# Allegro board Single PMT Data AcquisitionV_3P3.brd (continued)
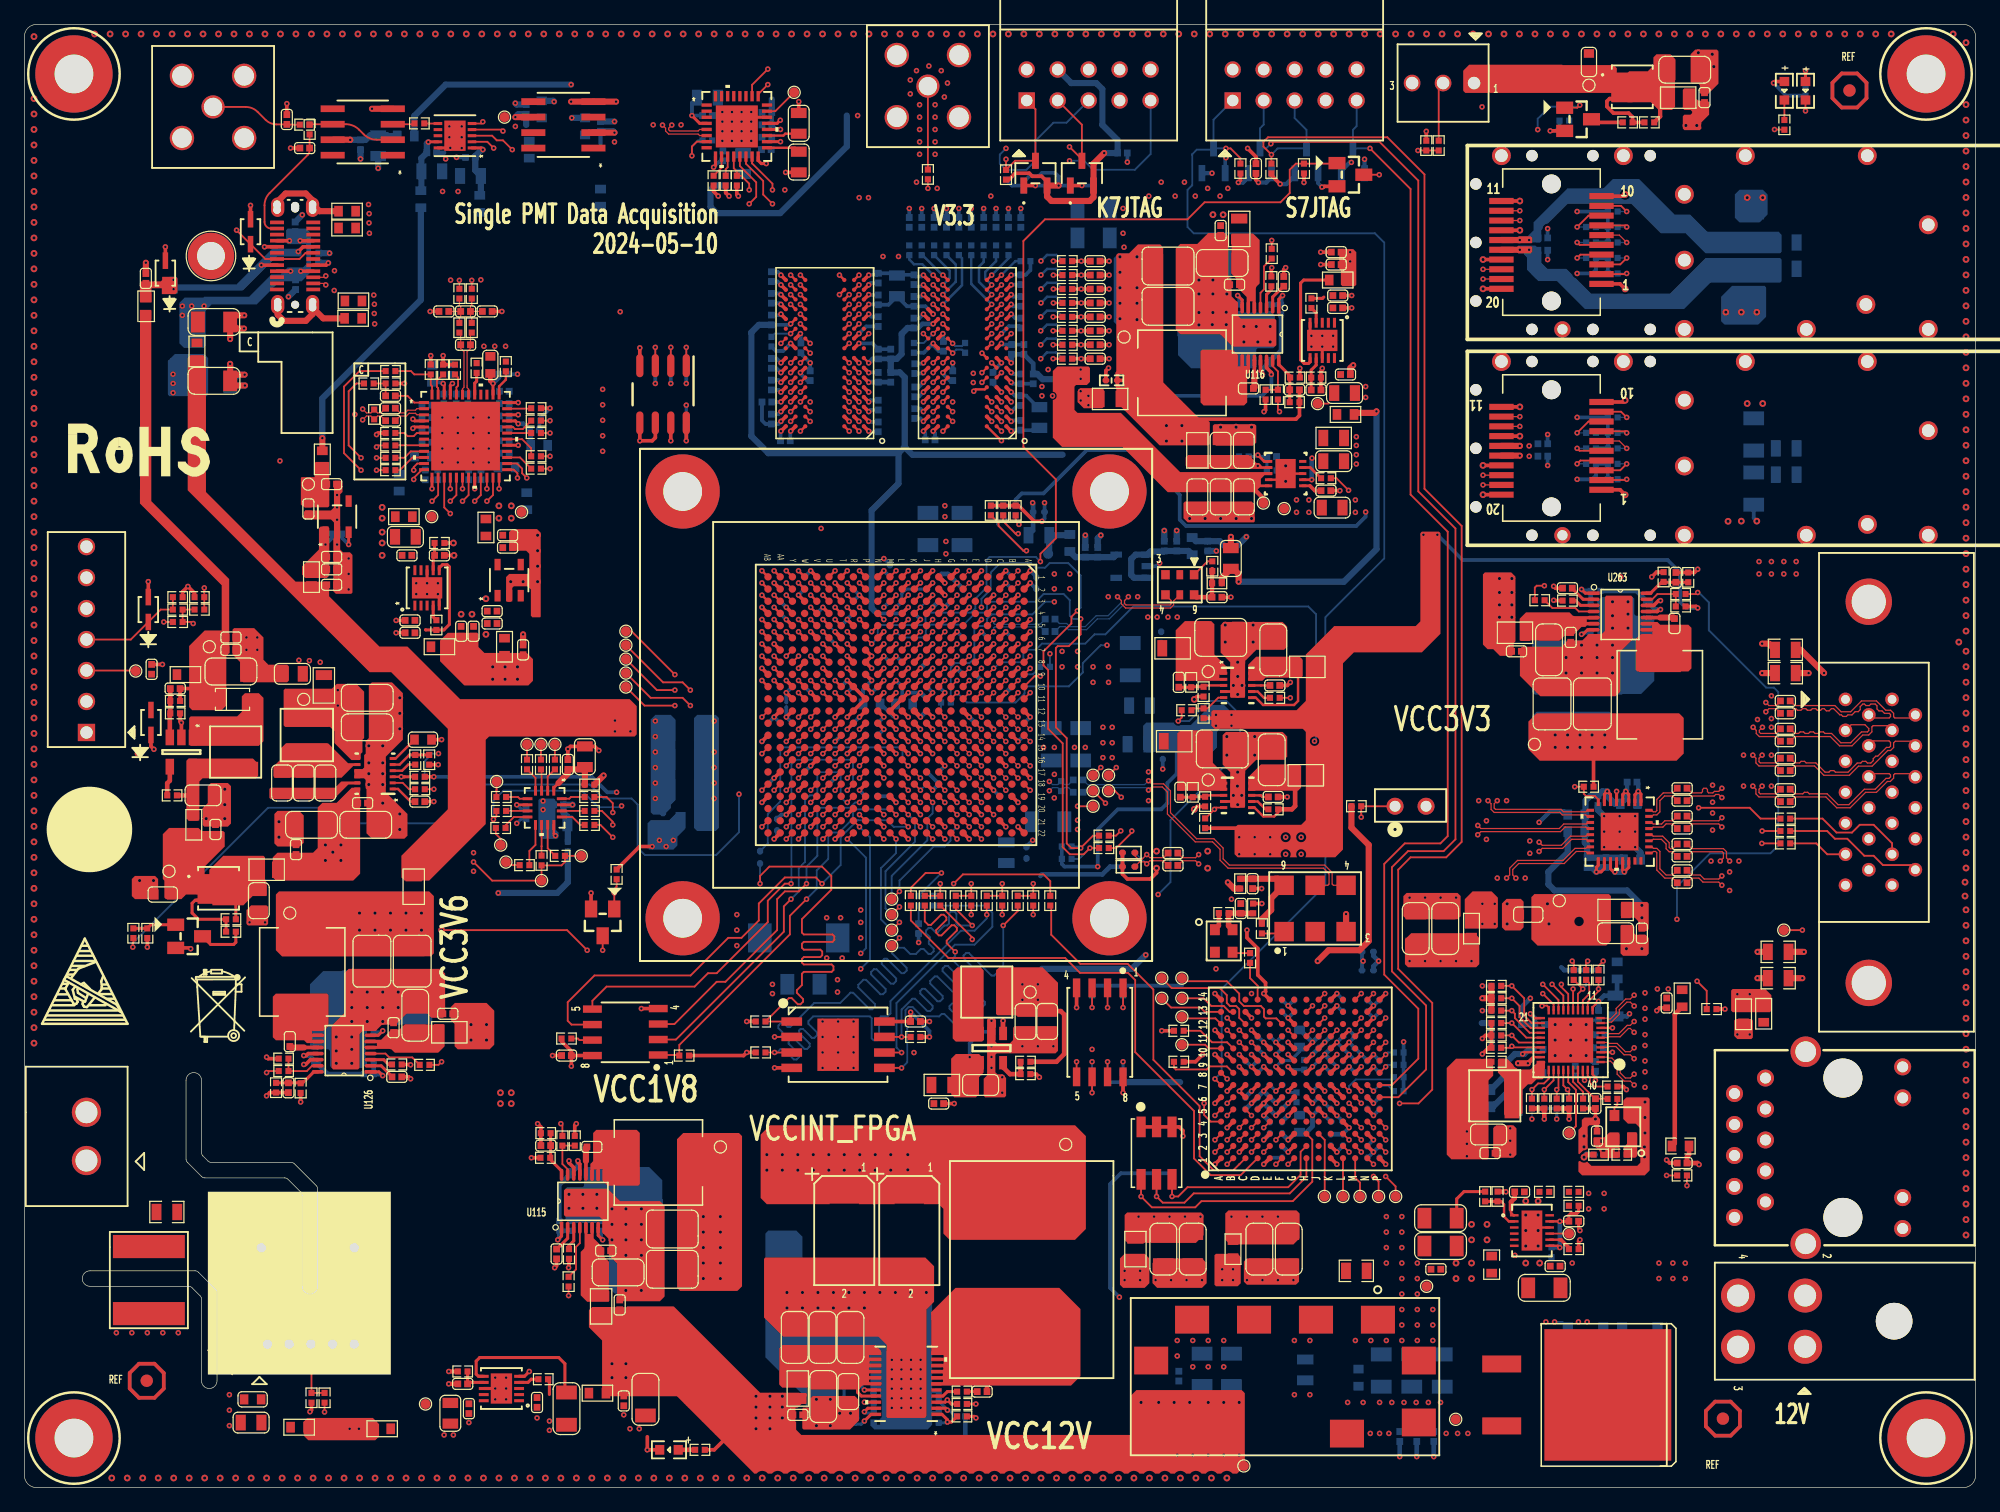
[diagram p0: board, top side]
## Routing (per net, layer and track width the routed paths; a pad name or vN(x,y) marks a point on that pad's centre or on a via; arc(x,y) is an arc through that point) (continued)
  TOP w0.356: R1198.1 134.13,112.45 134.13,113.23
N22238566: length 8.1
  TOP w0.254: 32.89,70.36 32.91,70.34 R2138.2 34.4,70.34 34.85,70.79 34.85,75.51 34.67,75.69 34.29,75.69 34.02,75.42 U129.6
N22244788: length 4.4
  TOP w0.152: 32.41,34.67 31.8,35.28 29.92,35.28 29.6,35.59 U126.4
N22244889: length 2.1
  TOP w0.254: C1272.1 30.14,33.71 29.26,34.59 U126.2
N22244891: length 6.8
  TOP w0.305: v1(22.91,35.43) 23.11,35.43 23.27,35.59 U126.13
  BOTTOM w0.381: R1142.2 24.87,33.91 C1271.1 23.35,35.43 v1(22.91,35.43)
N22244939: length 2.9
  TOP w0.254: v1(29.38,33.78) 29.07,34.09 U126.1
  BOTTOM w0.381: R1143.2 R1142.1 29.26,33.91 v1(29.38,33.78)
N22244971: length 1.9
  TOP w0.254: v1(29.38,37.47) 29.01,37.09 U126.7
  BOTTOM w0.305: v1(29.38,37.47) 29.26,37.34 R1145.2
N22244973: length 2.3
  TOP w0.305: 22.92,36.09 U126.12
  TOP w0.508: 22.92,36.09 21.85,36.09 C1275.2
N22244981: length 44.9
  TOP w0.305: C1276.2 R1146.2 20.12,32.4 v1(19.86,32.13) ; v1(22.91,34.7) 23.06,34.7 23.46,35.09 U126.14
  ART03 w0.254: v1(19.86,32.13) 21.15,33.43 27.89,33.43 32.3,37.85 32.3,42.16 31.29,43.18 v2(31.29,45.72)
  ART03 w0.508: v1(22.91,34.7) 23.57,34.04 27.1,34.04 31.54,38.48 31.54,41.27 30.02,42.8 v2(30.02,45.72)
  vias: v2(27.48,47.12) v2(27.48,45.72) v2(28.75,47.12) v2(28.75,45.72) v2(30.02,47.12) v2(31.29,47.12) v2(32.56,47.12) v2(32.56,45.72)
N22245015: length 3.8
  TOP w0.254: R1146.1 C1276.1 22.62,33.2 R1147.1 22.8,33.17 23.73,34.09 U126.16
N22245055: length 3.6
  TOP w0.152: U126.15 23.59,34.59 23.16,34.16 R1141.2 R1139.2
N22245161: length 1.9
  TOP w0.254: R1144.1 29.86,34.7 29.47,35.09 U126.3
N22251669: length 4.4
  TOP w0.152: 44.62,17.29 45.23,17.9 45.23,19.74 45.55,20.05 U115.4
N22251767: length 6.8
  TOP w0.305: v1(45.39,26.8) 45.42,26.77 45.42,26.65 45.55,26.52 U115.13
  BOTTOM w0.381: v1(45.39,26.8) 45.39,26.35 C1175.1 43.86,24.83 R1061.2
N22251781: length 2.1
  TOP w0.254: C1176.1 43.66,19.56 44.55,20.45 U115.2
N22251829: length 2.9
  TOP w0.254: v1(43.73,20.32) 44.05,20.63 U115.1
  BOTTOM w0.381: v1(43.73,20.32) 43.86,20.45 R1061.1 R1064.2
N22251853: length 2.3
  TOP w0.305: 46.05,26.79 U115.12
  TOP w0.508: 46.05,26.79 46.05,27.86 46.13,27.94
N22251889: length 1.9
  TOP w0.254: v1(47.42,20.32) 47.05,20.69 U115.7
  BOTTOM w0.305: R1066.2 47.29,20.45 v1(47.42,20.32)
N22251891: length 3.8
  TOP w0.254: U115.16 44.05,25.98 43.12,26.91 R1089.1 43.15,27.08 C1180.1 R1057.1
N22252042: length 1.9
  TOP w0.254: U115.3 45.05,20.24 44.65,19.84 R1065.1
N22252096: length 3.6
  TOP w0.152: U115.15 44.55,26.11 44.12,26.54 R1060.2 R1058.2
N22256857: length 4.4
  TOP w0.152: U263.4 127.47,71.85 127.18,72.14 125.29,72.14 R1077.2
N22256931: length 6.8
  TOP w0.305: U263.13 133.89,71.85 134.02,71.98 134.13,71.98 v1(134.16,72.01)
  BOTTOM w0.381: R1079.2 132.2,73.54 C1202.1 133.72,72.01 v1(134.16,72.01)
N22256969: length 2.1
  TOP w0.254: C1203.1 126.93,73.74 127.81,72.85 U263.2
N22257017: length 2.9
  TOP w0.254: U263.1 128,73.35 v1(127.69,73.66)
  BOTTOM w0.381: R1080.2 R1079.1 127.81,73.54 v1(127.69,73.66)
N22257041: length 2.3
  TOP w0.305: 134.15,71.35 U263.12
  TOP w0.508: 134.15,71.35 135.22,71.35 C1206.2
N22257065: length 1.9
  TOP w0.254: U263.7 128.18,70.35 127.81,69.98 v1(127.69,69.98)
  BOTTOM w0.305: R1084.2 127.81,70.11 v1(127.69,69.98)
N22257067: length 3.8
  TOP w0.254: 135.42,74.25 134.45,74.25 R1086.1 134.27,74.28 133.34,73.35 U263.16 ; 135.42,74.25 C1207.1 135.42,74.25 ; 135.42,74.25 136.43,74.25 R1085.1
N22257227: length 1.9
  TOP w0.254: U263.3 127.6,72.35 127.21,72.74 R1083.1
N22257272: length 3.6
  TOP w0.152: R1076.2 R1078.2 133.91,73.28 133.48,72.85 U263.15
N22390089: length 5.7
  TOP w0.203: U118.6 100.87,55.77 101.6,55.04 102.48,55.04 102.81,55.37 102.81,55.63
  TOP w0.381: 102.81,55.63 103.93,55.63 104.2,55.9 104.2,57.26
N22390861: length 1.4
  TOP w0.203: C1208.2 101.52,56.64 101.39,56.77 U118.8
N22391236: length 3.6
  TOP w0.203: R1091.1 96.93,56.77 U118.3
  TOP w0.254: R1091.1 95.84,56.66 R1098.1 C1216.1
N22401678: length 3.7
  TOP w0.203: R1114.1 96.8,65.79 U119.3
  TOP w0.254: R1114.1 95.72,65.68 R1113.1 C1234.1
N22401694: length 3.1
  TOP w0.152: R1116.1 95.84,63.9 R1112.2 97.02,63.9 97.9,64.79 U119.5
N22401706: length 7
  TOP w0.203: U119.6 100.97,64.79 101.57,64.19 104.11,64.19 104.44,64.52 104.44,67.22
  TOP w0.254: 104.44,67.22 L101.2
N22401776: length 1.5
  TOP w0.203: U119.8 C1231.2
N22408855: length 1.6
  TOP w0.203: U118.7 101.13,56.27 101.77,55.63 R1101.2
N22415812: length 1.7
  TOP w0.203: U119.7 101.13,65.29 101.65,64.77 R1115.2
N22509269: length 3.4
  BOTTOM w0.305: R1138.1 78.45,37.38 77.52,36.45 v1(77.52,35.31)
N22509356: length 3.1
  TOP w0.381: R1129.2 R1130.1 80.82,33.91 80.25,34.48 U124.5
N22509441: length 2
  TOP w0.381: U124.1 v1(80.25,38.29)
  BOTTOM w0.305: R1138.2 80.2,38.23 v1(80.25,38.29)
N22519847: length 9.9
  TOP w0.102: J75.16 152.77,62.48 151.6,62.48 151.49,62.38 151.49,61.98 151.24,61.72 150.75,61.72 149.86,60.83 148.84,60.83 148.08,61.59 145.18,61.59 C2453.1
N22519853: length 10
  TOP w0.102: C2454.1 145.18,61.85 145.48,61.85 145.61,61.98 145.89,61.98 146.02,61.85 146.3,61.85 146.42,61.98 146.7,61.98 146.83,61.85 147.11,61.85 147.24,61.98 147.52,61.98 147.64,61.85 148.19,61.85 148.95,61.09 149.75,61.09 150.64,61.98 151.13,61.98 151.24,62.09 151.24,62.25 150.93,62.56 149.79,62.56 J75.3
N22519875: length 12.3
  TOP w0.102: C2455.1 145.18,59.18 146.79,59.18 147.55,58.42 149.65,58.42 150.4,59.17 151.51,59.17 152.8,60.45 153.03,60.45 153.28,60.7 153.28,61.07 153.42,61.21 154.68,61.21 155.06,60.83
N22519885: length 12.3
  TOP w0.102: 151.24,60.83 151.65,61.24 152.9,61.24 153.02,61.11 153.02,60.81 152.92,60.71 152.69,60.71 151.98,59.99 151.81,59.99 151.61,59.79 151.61,59.62 151.41,59.42 151.13,59.42 150.99,59.56 150.72,59.56 150.58,59.42 150.29,59.42 149.54,58.67 148.5,58.67 148.38,58.8 148.1,58.8 147.97,58.67 147.66,58.67 146.9,59.44 146.1,59.44 145.97,59.56 145.69,59.56 145.57,59.44 145.18,59.44 C2456.1
N22519963: length 11.8
  TOP w0.102: 155.06,63.37 154.81,63.12 153.38,63.12 153.28,63.22 153.28,63.5 153.03,63.75 152.63,63.75 151.87,64.52 150.64,64.52 149.75,63.63 148.97,63.63 148.46,64.14 145.18,64.14 C2451.1
N22519965: length 12.4
  TOP w0.102: C2452.1 145.18,63.88 145.26,63.88 145.39,63.75 145.67,63.75 145.8,63.88 146.08,63.88 146.2,63.75 146.48,63.75 146.61,63.88 146.89,63.88 147.02,63.75 147.3,63.75 147.42,63.88 147.58,63.88 147.76,63.7 147.99,63.7 148.17,63.88 148.36,63.88 148.87,63.37 148.99,63.37 149.12,63.25 149.4,63.25 149.52,63.37 149.86,63.37 150.12,63.63 150.38,63.63 150.54,63.8 150.54,64.05 150.75,64.26 150.88,64.26 151.01,64.14 151.29,64.14 151.41,64.26 151.76,64.26 151.91,64.11 151.91,63.86 152.07,63.7 152.33,63.7 152.53,63.5 152.92,63.5 153.02,63.4 153.02,63.23 152.91,63.12 151.49,63.12 151.24,63.37
N22520015: length 12.2
  TOP w0.102: C2457.1 145.18,56.64 147.72,56.64 148.61,55.75 149.71,55.75 150.98,57.02 151.87,57.02 152.76,57.91 153,57.91 153.28,58.19 153.28,58.45 153.38,58.55 154.81,58.55 155.06,58.29
N22520025: length 11.9
  TOP w0.102: 151.24,58.29 151.49,58.55 152.92,58.55 153.02,58.45 153.02,58.29 152.9,58.17 152.65,58.17 151.76,57.28 150.88,57.28 149.61,56.01 148.72,56.01 147.83,56.9 146.36,56.9 146.23,57.02 145.96,57.02 145.83,56.9 145.18,56.9 C2458.1
N22520500: length 4.9
  TOP w0.152: R2125.1 146.94,52.83 147.83,51.94 J75.11
N22520516: length 11.6
  TOP w0.152: J75.25 154.68,51.05 152.4,51.05 151.64,51.82 150.88,51.82 149.48,53.21 148.46,53.21 147.83,53.85 R2126.1
N22520561: length 8.1
  TOP w0.508: R2084.1 v1(145.92,43.94)
  ART08 w0.508: J75.13 147.63,47.7 147.63,45.65 v1(145.92,43.94)
N22520570: length 12.2
  TOP w0.508: R2085.1 v1(145.79,41.78)
  ART08 w0.508: v1(145.79,41.78) 146.43,41.78 152.65,48.01 152.65,48.91 J75.26
N22520917: length 9.6
  TOP w0.508: R2087.1 145.67,68.7 v1(147.57,66.8)
  ART08 w0.508: v1(147.57,66.8) 150.99,66.8 J75.14
N22520923: length 5
  TOP w0.508: R2086.1 v1(146.31,66.8)
  ART08 w0.508: J75.1 148.46,64.64 v1(146.31,66.8)
N22521027: length 10.3
  TOP w0.152: TP138.1 v1(145.8,45.72)
  ART08 w0.102: v1(145.8,45.72) 145.8,47.88 148.59,50.67 J75.12
N22521422: length 5.1
  TOP w0.152: R1918.2 R1919.2 23.54,11.72 U95.3
N22674208: length 5.3
  TOP w0.508: U264.2 v1(48.39,111.12)
  BOTTOM w0.356: 47.24,110.24 C2415.2 46.27,111.23 C2416.1
  BOTTOM w0.508: v1(48.39,111.12) 48.28,111.23 C2415.2
  vias: v1(48.39,110.36)
N22674912: length 3.3
  TOP w0.508: U264.6 v1(40.26,112.39)
  BOTTOM w0.508: v1(40.26,112.39) 40.49,112.63 C2418.2 41.15,111.76
  vias: v1(40.26,111.63)
N22711871: length 4.1
  TOP w0.254: v1(60.83,108.58) 60.42,108.58 60.17,108.84 U267.16 ; U267.9 56.67,108.43 v1(56.52,108.28) ; U267.18 v1(62,110.38)
  BOTTOM w0.254: C2429.2 57.05,108.82 v1(56.52,108.28)
N22738550: length 5.5
  TOP w0.254: Q22.4 14.01,48.17 13.75,47.92 13.75,47.13 14.27,46.61 R2097.2 R2128.1
N22738596: length 1.3
  TOP w0.254: R2097.1 17.34,47.86 17.32,47.88
N22738661: length 3.6
  TOP w0.254: R2098.1 R2099.1 10.38,46.16 Q23.1
N22776081: length 2.7
  TOP w0.203: C2438.1 62.4,111.04 62.24,110.88 U267.19
N22776086: length 2.7
  TOP w0.203: C2439.1 63.18,109.88 U267.17
N22789402: length 2.9
  TOP w0.152: TP141.1 61.57,112.88 U267.23
N22808887: length 5
  TOP w0.254: v1(33.12,110.35) 33.15,110.37 U268.9
  BOTTOM w0.508: L280.2 32.55,106.4 C2442.1 32.55,109.02 33,109.47 33,110.23 v1(33.12,110.35)
N22809050: length 5.2
  TOP w0.254: v1(37.59,109.73) 37.45,109.87 36.7,109.87
  BOTTOM w0.508: L281.2 37.43,106.07 C2448.1 36.98,108.02 C2449.1 36.98,109.22 37.48,109.73 v1(37.59,109.73)
N22809950: length 1.1
  TOP w0.152: U268.6 32.8,111.87 arc(32.79,111.87) R2118.1
N22812518: length 5.5
  TOP w0.508: U269.7 26.71,110.54 v1(26.72,110.53)
  BOTTOM w0.508: v1(26.72,110.53) C2447.1 27.98,110.53 28.35,110.9 C2446.1 29.02,110.91 29.74,110.91 29.81,110.84 L279.1
N22823675: length 1.8
  TOP w0.152: R2118.2 31.92,111.81 U269.3
N22860235: length 90.6
  TOP w0.152: R1918.1 v1(24.61,6.2) ; v1(11.43,70.99) R2119.2
  ART03 w0.102: v1(11.43,70.99) 10.16,69.72 10.16,52.04 17.52,44.68 17.52,31.75 18.64,30.63 33.09,30.63 33.5,30.23 33.5,11.8 27.9,6.2 v1(24.61,6.2)
N22945120: length 4
  TOP w0.254: R2128.2 17.34,44.72 17.16,44.54 15.28,44.54 Q23.3
N22945514: length 2.7
  TOP w0.305: Q21.3 128.76,111.96 R2129.2
N22948810: length 10.6
  TOP w0.152: R2124.1 147.45,54.86 148.59,53.72 149.86,53.72 150.5,54.36 151.64,54.36 153.15,52.84 J75.24
N22959826: length 2
  TOP w0.152: U98.2 42.91,58.31 R2131.2
N22959858: length 2
  TOP w0.152: R2133.2 41.91,58.21 U98.4
N22960011: length 2.3
  TOP w0.152: U98.8 40.14,55 39.46,54.32 R2134.1
N22960013: length 1.6
  TOP w0.152: TP145.1 39.06,53.21 38.66,53.61 38.66,54.1 R2134.2
N22960096: length 2.8
  TOP w0.152: U98.11 42.91,52.43 R2132.1
N22968010: length 23.6
  TOP w0.254: U271.4 131.06,56.84 v1(131.32,57.1) 131.56,56.86 U271.3 ; U271.21 131.06,50.63 v1(131.19,50.5) 131.56,50.86 U271.22 ; U271.19 130.06,50.75 130.31,50.5 v1(130.43,50.5) 130.43,50.62 130.56,50.75 U271.20 ; U271.7 129.56,56.87 v1(129.79,57.1) 129.81,57.1 130.06,56.85 U271.6
  BOTTOM w0.356: v1(131.32,57.1) 131.43,57.21 C2472.2
  BOTTOM w0.508: v1(131.32,57.1) 131.32,56.53 C2467.1 130.43,56.08 129.79,56.72 v1(129.79,57.1) 129.39,57.1 C2469.2 128.42,56.74 128.02,56.34 128.02,55.26 C2471.1 L283.2 127.95,52.9 128.14,52.71 C2473.2 C2470.2 130.98,51.66 C2468.1 131.19,51.45 v1(131.19,50.5) v1(130.43,50.5)
N22968119: length 3.7
  TOP w0.102: U271.32 133.44,55.55 133.56,55.42 133.76,55.42 133.86,55.53 133.86,56.44 134.39,56.97 135.16,56.97 C2459.1
N22968121: length 3.7
  TOP w0.102: C2460.1 135.16,56.72 134.49,56.72 134.11,56.34 134.11,55.42 133.86,55.17 133.58,55.17 133.46,55.05 U271.31
N22968123: length 2.6
  TOP w0.102: C2461.1 135.16,54.69 134.51,54.69 134.25,54.42 133.56,54.42 133.44,54.55 U271.30
N22968125: length 2.6
  TOP w0.102: C2462.1 135.16,54.43 134.62,54.43 134.36,54.17 133.56,54.17 133.44,54.05 U271.29
N22968127: length 3.2
  TOP w0.102: U271.28 133.44,53.55 133.56,53.42 134.34,53.42 134.87,52.89 134.87,52.5 134.98,52.4 135.16,52.4 C2463.1
N22968129: length 3.2
  TOP w0.102: C2464.1 135.16,52.15 134.87,52.15 134.62,52.4 134.62,52.78 134.23,53.17 133.56,53.17 133.44,53.05 U271.27
N22968131: length 4.3
  TOP w0.102: U271.26 133.46,52.55 133.58,52.42 133.86,52.42 134.11,52.17 134.11,50.75 134.62,50.24 135.16,50.24 C2465.1
N22968133: length 4.3
  TOP w0.102: U271.25 133.45,52.05 133.58,52.17 133.76,52.17 133.86,52.07 133.86,50.64 134.51,49.99 135.16,49.99 C2466.1
N22971145: length 1.3
  TOP w0.152: R2131.1 TP142.1
N22971151: length 1.3
  TOP w0.152: R2133.1 TP144.1
N22971182: length 1.3
  TOP w0.152: R933.1 TP30.1
N22971218: length 1.3
  TOP w0.152: TP77.1 38.72,57.22 38.7,57.2 R934.1
N23032570: length 2.3
  TOP w0.254: R2137.1 C2477.1 33.52,76.34 U129.7
N23032940: length 1.3
  TOP w0.254: R2138.1 33.52,71.4 U129.4
N23034655: length 11.1
  TOP w0.254: R1150.2 106.44,97.53 106.55,97.64 ; L122.2 104.9,99.03 104.65,98.78 104.65,92.48 104.94,92.19 105.3,92.19 105.43,92.32 U127.6
N23034774: length 1.4
  TOP w0.254: U127.4 105.93,96.34 R1150.1
N23036008: length 0.9
  TOP w0.152: TP62.1 106.93,88.9
N23036060: length 2.8
  TOP w0.254: U127.7 105.93,92.06 105.52,91.65 R2136.1 C2441.1
N23037879: length 12.9
  TOP w0.254: 44.32,7.93 44.32,10.16 43.81,10.67 37.34,10.67 37.05,10.38 37.05,9.31 37.23,9.13 U133.6 ; R2083.2 42.95,8.76 43.05,8.65 43.05,7.64
N23037995: length 1.7
  TOP w0.254: R2083.1 41.56,8.89 41.3,8.63 U133.4
N23038085: length 2.4
  TOP w0.254: U133.7 36.46,8.63 C1340.1 R2139.1
N23136071: length 1.4
  TOP w0.152: U1.K18 v1(73.48,57.19)
  BOTTOM w0.152: R276.1 73.97,57.68 v1(73.48,57.19)
N23136114: length 11.8
  TOP w0.152: U1.J19 v1(74.48,56.19) ; TP112.1 v1(71.75,47.62)
  BOTTOM w0.152: v1(74.48,56.19) 74.48,55.3 74.04,54.86 74.04,53.09 71.12,50.16 71.12,48.26 v1(71.75,47.62)
N23136470: length 9.4
  TOP w0.152: TP113.1 v1(71.75,48.9) ; U1.G21 v1(76.48,54.19)
  BOTTOM w0.152: v1(76.48,54.19) 75.95,53.66 75.95,53.07 75.46,52.58 74.55,52.58 71.75,49.78 v1(71.75,48.9)
N23136579: length 10.9
  TOP w0.152: TP15.1 v1(71.75,45.09) ; U1.M22 v1(71.48,53.19)
  BOTTOM w0.152: v1(71.75,45.09) 70.23,46.61 70.23,50.8 71.48,52.05 v1(71.48,53.19)
N23142000: length 1.4
  TOP w0.381: U1.H2 v1(75.48,73.19)
  BOTTOM w0.381: R165.1 75.47,73.19 v1(75.48,73.19)
N23143795: length 14.3
  TOP w0.152: U1.AB12 v1(60.48,63.19) ; v1(54.61,65.41) 53.98,66.04 52.37,66.04 TP116.1
  ART08 w0.102: v1(60.48,63.19) 57.46,63.19 55.24,65.41 v1(54.61,65.41)
N23143798: length 19.5
  TOP w0.152: v1(53.34,66.67) 49.78,70.23 TP133.1 ; U1.V13 v1(64.48,62.19)
  ART08 w0.102: v1(64.48,62.19) 63.93,62.74 61.19,62.74 60.96,62.97 60.96,63.5 60.86,63.6 58.32,63.6 55.24,66.67 v1(53.34,66.67)
N23143801: length 24
  TOP w0.152: U1.V12 v1(64.48,63.19) ; TP134.1 50.85,64.14 v1(53.34,64.14)
  ART08 w0.102: v1(64.48,63.19) 65.71,63.19 66.17,62.74 66.55,62.74 66.93,62.36 66.93,61.98 66.75,61.8 66.01,61.8 65.81,61.59 65.23,61.59 64.72,61.09 64.11,61.09 63.8,60.78 59.77,60.78 59.59,60.96 56.52,60.96 v1(53.34,64.14)
N23143804: length 21.1
  TOP w0.152: U1.T13 v1(66.48,62.19) ; v1(53.34,65.41) 51.86,65.41 TP135.1
  ART08 w0.102: v1(53.34,65.41) 53.98,64.77 55.24,64.77 57.82,62.19 60.69,62.19 61.09,61.8 64.72,61.8 65.02,62.1 65.02,62.48 65.15,62.61 65.66,62.61 66.08,62.19 v1(66.48,62.19)
N23143807: length 19.3
  TOP w0.152: TP136.1 51.35,64.77 53.98,64.77 v1(54.61,64.14) ; U1.U13 v1(65.48,62.19)
  ART08 w0.102: v1(54.61,64.14) 57.16,61.59 64.87,61.59 v1(65.48,62.19)
N23169150: length 4.1
  BOTTOM w0.508: L289.1 86.19,76.31 C2489.2 C2488.1 89.32,76.31 U272.5
N23169182: length 8.1
  BOTTOM w0.508: L288.2 95.46,76.82 C2487.2 C2486.1 93.42,76.77 92.34,76.77 U272.1 91.12,76.52 90.76,76.16 90.76,74.85 90.99,74.61 U272.3
N23169457: length 21.7
  TOP w0.381: U1.J4 v1(74.48,72.19)
  ART06 w0.254: v1(82.68,80.77) 82.22,81.23 75.26,81.23 73.99,79.96 73.99,72.68 v1(74.48,72.19)
  BOTTOM w0.381: L287.1 82.71,78.48 C2483.1 82.71,80.65 82.68,80.68 v1(82.68,80.77) ; v1(74.48,72.19) 74.98,72.69 C2482.1
N23170636: length 4
  TOP w0.356: R2121.2 97.41,75.29 97.39,75.31 L282.1 C2450.2
  TOP w0.381: C2450.2 96.11,73.03 U270.6
N23170831: length 1.9
  TOP w0.152: U270.1 97.02,75.97 R2121.1
N23185444: length 12.1
  TOP w0.152: U1.L20 v1(72.48,55.19) ; TP114.1 v1(71.75,46.35)
  BOTTOM w0.152: v1(72.48,55.19) 73.03,54.64 73.03,52.96 70.61,50.55 70.61,47.5 v1(71.75,46.35)
N23196826: length 1.8
  TOP w0.152: U273.7 45.51,36.7 45.38,36.83 R2153.2
N23259637: length 9
  TOP w0.152: U1.B17 v1(81.48,58.19) ; TP102.1 v1(88.27,59.05)
  ART03 w0.102: v1(81.48,58.19) 81.93,58.65 83.36,58.65 84.02,59.31 87.84,59.31 88.1,59.05 v1(88.27,59.05)
N23259653: length 8.9
  TOP w0.152: U1.A18 v1(82.48,57.19) ; TP103.1 v1(88.65,56.13)
  ART03 w0.102: v1(88.65,56.13) 88.65,56.16 88.52,56.29 85.88,56.29 85.75,56.16 83.51,56.16 v1(82.48,57.19)
N23259699: length 7.2
  TOP w0.102: U1.C17 v1(80.48,58.19)
  ART03 w0.102: v1(84.05,57.91) 83.9,57.76 83.57,57.76 83.46,57.66 83.04,57.66 82.9,57.79 80.58,57.79 80.48,57.9 v1(80.48,58.19)
  BOTTOM w0.102: v1(84.05,57.91) 84.3,57.66 84.74,57.66 R2127.1 85.28,57.66 85.63,57.66 C942.2 86.01,58.04
N23259707: length 7.2
  TOP w0.102: U1.C18 v1(80.48,57.19)
  ART03 w0.102: v1(80.48,57.19) 80.48,57.49 80.58,57.59 82.82,57.59 82.96,57.45 83.46,57.45 83.57,57.35 83.85,57.35 v1(84.05,57.15)
  BOTTOM w0.102: 85.01,57.13 R2127.2 85.01,57.13 ; 85.01,57.13 84.74,57.4 84.3,57.4 v1(84.05,57.15) ; 85.01,57.13 85.28,57.4 85.63,57.4 C941.2 86.01,57.02
N23265948: length 12.7
  TOP w0.152: U1.E16 v1(78.48,59.19) ; TP104.1 v1(86.36,55.88)
  ART03 w0.102: v1(78.48,59.19) 78.99,58.67 78.99,58.04 79.32,57.71 79.58,57.71 79.91,57.38 79.91,55.98 80.34,55.55 86.03,55.55 v1(86.36,55.88)
N23265950: length 12.7
  TOP w0.152: U1.D17 v1(79.48,58.19) ; TP105.1 v1(89.53,59.05)
  ART03 w0.102: v1(89.53,59.05) 89.13,59.46 88.09,59.46 87.91,59.64 81.23,59.64 81.03,59.44 81.03,59.05 80.64,58.67 79.96,58.67 v1(79.48,58.19)
N23265952: length 18.5
  TOP w0.152: U1.H17 v1(75.48,58.19) ; TP106.1 89.41,57.15 v1(89.94,56.62)
  ART03 w0.102: v1(75.48,58.19) 76.89,58.19 78.33,56.74 78.59,56.74 80.09,55.24 89.05,55.24 89.94,56.13 v1(89.94,56.62)
N23290431: length 3
  TOP w0.152: U1.B10 v1(81.48,66.19)
  BOTTOM w0.152: v1(81.48,66.19) 81.99,66.7 82.68,66.7 R2116.1
N23290813: length 2
  TOP w0.152: U1.H12 v1(75.48,63.19)
  BOTTOM w0.152: v1(75.48,63.19) 75.17,63.5 R2102.2
N23372269: length 4.2
  TOP w0.305: J2.B9 v1(22.66,99.76) ; J2.A4 v1(21.83,99.76) ; v1(22.61,102.26) J2.B4 ; J2.A9 v1(21.74,102.26)
  vias: v1(12.95,96.9) v1(12.95,96.14) v1(13.72,96.9) v1(14.73,96.9)
N23378896: length 7.6
  TOP w0.152: J71.1 18.15,113.23 arc(18.68,113.12) 19.13,112.82 19.78,112.17 arc(20.19,111.9) 20.67,111.8 C2501.2 21.54,111.78 R2167.2
N23394365: length 8.3
  TOP w0.508: J2.S_4_H2 23.63,96.24 23.08,95.69 21.28,95.69 20.77,96.2 J2.S_2_H2 J2.25 J2.S_2_H1 ; J2.S_4_H2 J2.27 J2.S_4_H1 ; J2.S_4_H2 24.51,95.89 L294.2
N23407808: length 7.3
  TOP w0.508: J2.S_5_H2 J2.28 J2.S_5_H1 ; J2.S_5_H1 24.2,104.68 L295.2 ; J2.S_5_H1 23.63,105.57 23.07,106.13 21.42,106.13 20.77,105.48 20.77,105.2 ; J2.S_3_H2 20.77,104.82 J2.26 20.77,105.2 ; 20.77,105.2 J2.S_3_H1
N23432508: length 10
  TOP w0.152: J2.A11 20.24,103.26 arc(19.85,103.42) 19.69,103.8 19.69,105.16 arc(19.8,105.71) 20.11,106.17 23.23,109.29 arc(23.35,109.47) 23.39,109.68 23.39,109.85 23.39,109.86 23.39,109.86 R2168.2
N23434143: length 4.1
  TOP w0.152: TP87.1 9.09,67.01 J60.3

## Copper pours and planes (outline as drawn; the poured copper is in the pictures)
GND on TOP (solid shape): 10.97,49.91 10.97,48.26 9.06,48.26 8.81,48.51 8.81,49.91 9.06,50.16 10.71,50.16
GND on TOP (solid shape): 19.99,47.62 19.99,46.23 19.86,46.1 18.34,46.1 18.21,46.23 18.21,47.37 18.59,47.75 19.86,47.75
GND on TOP (solid shape): 22.91,55.12 22.91,52.88 22.6,52.58 20.75,52.58 20.49,52.83 20.49,55.24 20.75,55.5 22.53,55.5
GND on TOP (solid shape): 96.95,18.41 96.95,16.76 96.57,16.38 92.88,16.38 92.5,16.76 92.5,18.41 92.88,18.8 96.57,18.8
GND on TOP (solid shape): 101.01,87.1 101.01,85.7 100.76,85.45 97.71,85.45 97.46,85.7 97.46,87.1 97.57,87.21 100.9,87.21
GND on TOP (solid shape): 104.52,18.67 104.52,16.89 104.27,16.64 100.25,16.64 100,16.89 100,18.54 100.25,18.8 104.39,18.8
GND on TOP (solid shape): 117.78,48.51 117.78,46.86 117.52,46.61 113.33,46.61 113.08,46.86 113.08,48.51 113.33,48.77 117.52,48.77
GND on TOP (solid shape): 122.35,29.46 122.35,27.3 122.09,27.05 120.57,27.05 120.44,27.18 120.44,29.46 120.7,29.72 122.09,29.72
GND on TOP (solid shape): 122.94,48.06 122.94,45.95 122.68,45.69 121.41,45.69 121.16,45.95 121.16,47.9 121.54,48.29 122.71,48.29
GND on TOP (solid shape): 100.89,80.62 100.89,79.22 100.82,79.16 95.39,79.16 95.04,79.5 95.04,80.75 95.17,80.87 100.63,80.87
GND on TOP (solid shape): 143.26,40.39 143.26,39.12 143.13,38.99 140.08,38.99 139.95,39.12 139.95,40.77 140.08,40.89 142.75,40.89
GND on TOP (solid shape): 16.94,57.53 16.94,54.46 16.68,54.2 14.75,54.2 14.6,54.36 14.6,55.7 15.03,56.13 15.03,57.53 15.29,57.78 16.68,57.78
GND on TOP (solid shape): 132,46 132,45.47 132.13,45.34 132.94,45.34 133.19,45.09 133.19,43.79 133.02,43.61 131.09,43.61 130.88,43.81 130.88,46.08 130.96,46.15 131.85,46.15
GND on TOP (solid shape): 138.91,117.81 138.91,115.14 138.02,114.25 137.52,114.25 137.39,114.38 137.39,115.01 137.26,115.14 136.75,115.14 136.63,115.27 136.63,117.55 137.01,117.93 138.79,117.93
GND on TOP (solid shape): 68.44,7.17 68.44,5.5 67.71,4.77 63.89,4.77 63.79,4.86 63.79,6.49 63.86,6.56 64.22,6.56 64.22,6.57 64.4,6.57 64.4,6.74 64.43,6.77 64.43,7.31 64.64,7.52 68.09,7.52
GND on TOP (solid shape): 19.61,69.72 19.61,67.89 19.97,67.53 19.97,67.51 19.99,67.49 21.55,67.49 21.69,67.35 21.69,66.19 21.54,66.04 17.95,66.04 17.7,66.29 17.7,67.69 17.07,68.33 17.07,70.36 17.19,70.48 18.84,70.48
GND on TOP (solid shape): 103.55,70.61 103.55,68.96 103.3,68.71 101.01,68.71 100.11,67.81 100.11,67.58 100.1,67.56 100.1,64.9 100,64.8 98.98,64.8 98.88,64.9 98.88,67.69 98.09,68.48 98.09,70.74 98.34,70.99 103.17,70.99
GND on TOP (solid shape): 103.55,61.59 103.55,59.94 103.3,59.69 101.01,59.69 100.11,58.79 100.11,58.56 100.1,58.55 100.1,55.88 100,55.78 98.98,55.78 98.88,55.88 98.88,58.67 98.26,59.3 98.26,61.71 98.52,61.98 103.17,61.98
GND on TOP (solid shape): 129.21,30.23 129.21,29.84 129.08,29.72 128.32,29.72 128.19,29.59 128.19,27.75 127.91,27.75 127.58,27.41 127.55,27.38 127.52,27.34 127.43,27.37 127.43,29.34 127.71,29.62 127.71,30.15 127.91,30.35 129.08,30.35
GND on TOP (solid shape): 66.04,18.85 68.42,18.85 68.42,18.87 71.37,18.87 71.37,18.85 73.76,18.85 73.76,18.87 73.88,18.87 74.6,18.15 74.6,15.24 73.96,14.61 73.96,5.87 73.81,5.71 70.79,5.71 70.71,5.79 70.71,11.7 70.04,12.38 62.22,12.38 60.65,13.94 60.65,18.77 60.75,18.87 66.04,18.87
GND on TOP (solid shape): 42.34,78.31 42.34,71.42 42.29,71.37 41.66,71.37 41.53,71.5 41.53,73.66 41.27,73.91 40.13,73.91 40.01,73.79 40.01,72.77 39.88,72.64 39.62,72.64 39.5,72.77 39.5,74.68 39.75,74.93 41.27,74.93 41.4,75.06 41.4,76.58 41.15,76.83 39.88,76.83 39.75,76.96 39.75,78.36 40.01,78.61 42.04,78.61
GND on TOP (solid shape): 31.04,65.15 31.04,61.34 29.64,59.94 29.64,57.02 31.42,55.24 31.42,53.47 31.16,53.21 28.5,53.21 28.05,53.66 28.05,57.34 27.99,57.4 27.99,58.04 27.86,58.17 27.07,58.17 27.05,58.19 27.05,58.85 27.12,58.93 27.73,58.93 27.86,59.05 27.86,60.07 27.99,60.2 27.99,61.21 28.24,61.47 28.24,65.79 28.5,66.04 30.15,66.04
GND on TOP (solid shape): 26.09,82.42 26.09,81.65 25.89,81.46 25.89,76.94 26.12,76.71 26.69,76.71 26.9,76.5 26.9,73.4 26.8,73.3 25.54,73.3 25.33,73.51 25.33,73.51 25.33,77.82 25.39,77.88 25.39,79.15 25.14,79.4 23,79.4 22.91,79.49 22.91,80.01 23.03,80.14 25.13,80.14 25.39,80.39 25.39,82.5 25.46,82.58 25.93,82.58
GND on TOP (solid shape): 131.88,73.03 131.88,69.56 130.86,68.55 130.86,65.28 130.48,64.9 124.3,64.9 122.63,66.57 122.63,68.79 122.81,68.96 126.03,68.96 126.54,69.47 127.74,69.47 128.27,70 128.33,70 129.02,70 129.08,70 129.34,70 129.59,70.25 129.59,73.03 129.72,73.16 131.75,73.16
GND on TOP (solid shape): 79.68,38.35 79.68,37.74 79.63,37.69 79.63,36.58 79.75,36.45 80.82,36.45 81.07,36.7 81.07,37.72 81.2,37.85 84.63,37.85 84.76,37.72 84.76,35.81 84.55,35.61 79.73,35.61 79.63,35.51 79.63,34.06 79.79,33.9 80.2,33.9 80.5,33.59 80.5,32.13 80.37,32 78.79,32 78.66,32.13 78.66,33.53 78.94,33.81 78.94,38.38 79.04,38.48 79.55,38.48
GND on TOP (solid shape): 48.85,23.5 52.12,23.5 52.5,23.11 52.5,15.67 52.11,15.28 48.68,15.28 48.6,15.36 48.6,18.38 47.93,19.05 47.93,20.37 47.4,20.9 47.4,20.97 47.4,21.65 47.4,21.72 47.4,21.97 47.14,22.23 44.37,22.23 44.24,22.35 44.24,24.38 44.37,24.51 47.83,24.51
GND on TOP (solid shape): 98.72,102.63 98.72,99.33 98.98,99.07 98.98,97.71 99.51,97.18 99.5,97.12 99.5,96.43 99.51,96.37 99.51,96.11 99.76,95.86 102.54,95.86 102.66,95.73 102.66,93.7 102.54,93.57 99.07,93.57 98.06,94.59 94.79,94.59 94.41,94.97 94.41,101.62 94.78,102 96.18,102 97.07,102.89 98.46,102.89
